# Altium PCB SL_LoRa_PCB_ver_1.6.PcbDoc
Units mm, origin at the board's own origin, x right, y up, seen from the top; angles counter-clockwise.
Board outline 89.52 x 55.32 mm, 2 copper layers (Top Layer, Bottom Layer); 69 components, 48 nets, 287 pads, 319 vias.
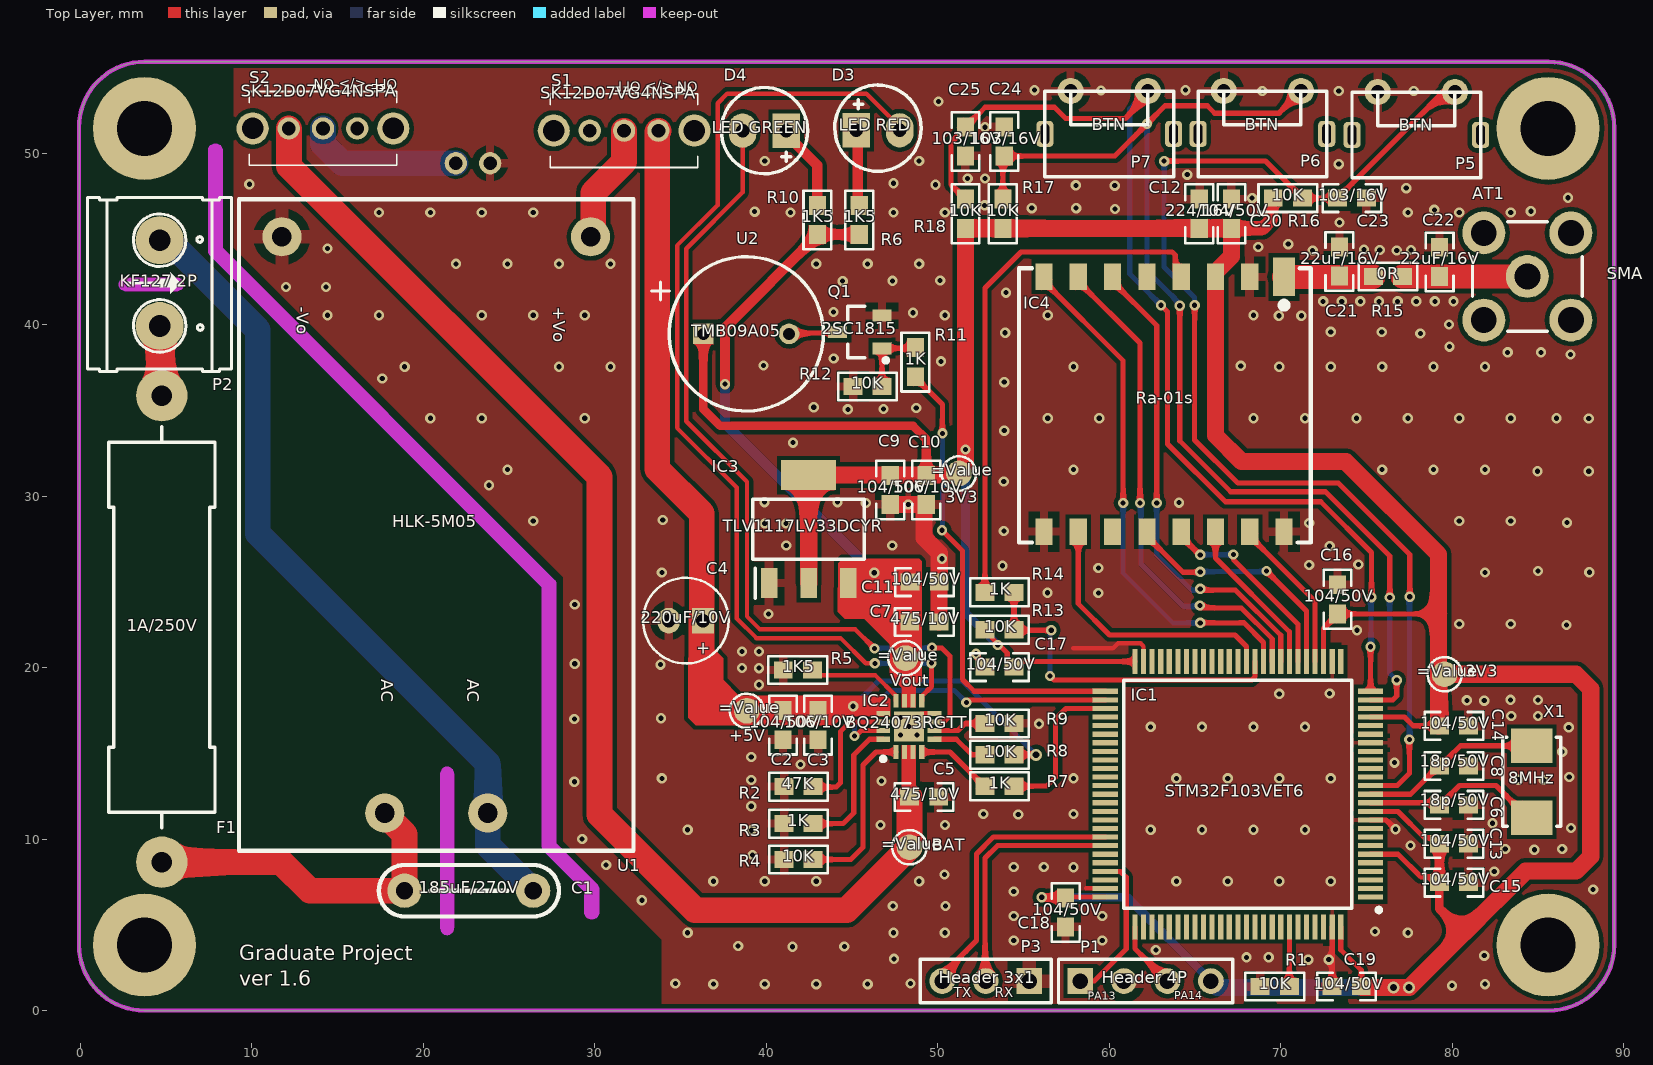
[diagram p0: Top Layer view]
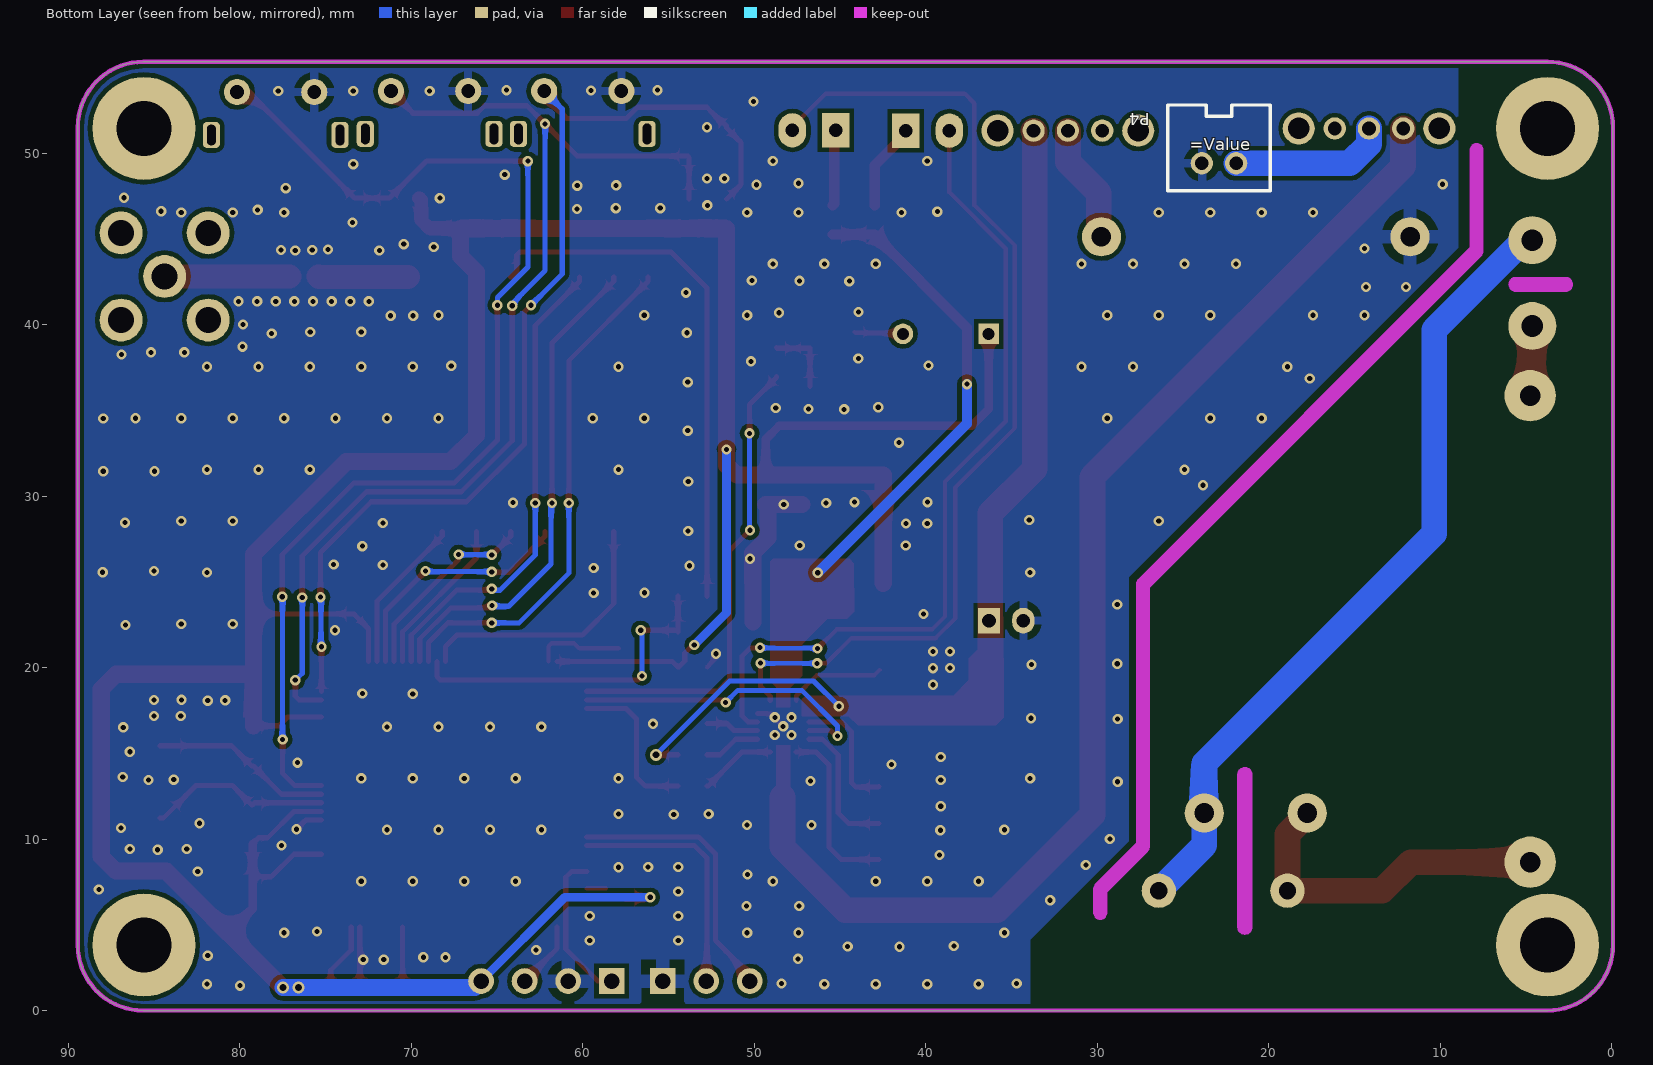
[diagram p1: Bottom Layer view, seen from below]
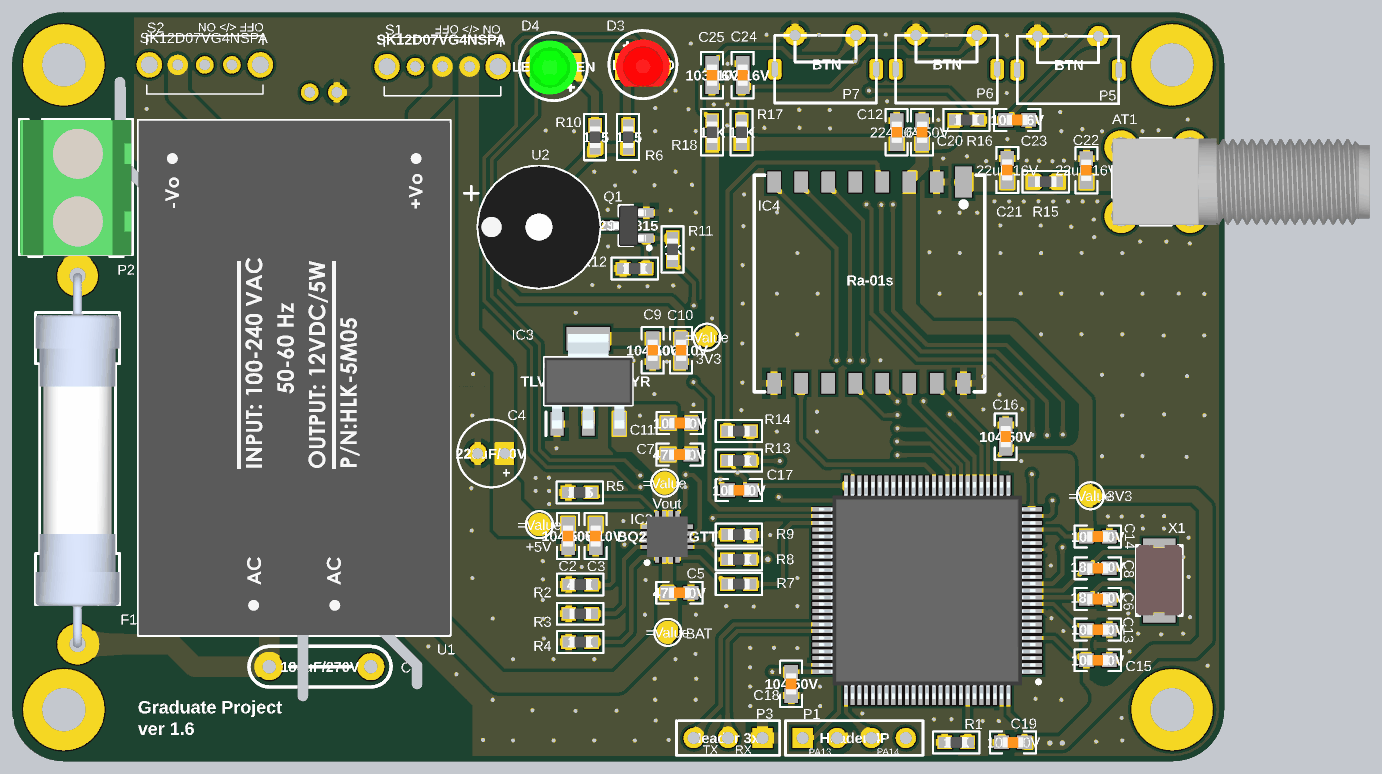
[diagram p2: 3D render of the assembled board from above, using the file's embedded part models]

## Layer stack, top to bottom
Top Solder: solder mask 0.0102, Solder Resist, Dk 3.5
Top Layer: signal copper 0.0356
Dielectric 1: dielectric 0.32, FR-4, Dk 4.8
Bottom Layer: signal copper 0.0356
Bottom Solder: solder mask 0.0102, Solder Resist, Dk 3.5

## Board outline
-0.076,3.81 -0.076,51.511 cw(c3.734,51.511) 3.734,55.321 3.734,55.319 85.633,55.319 cw(c85.633,51.509) 89.443,51.509 89.443,3.81 cw(c85.633,3.81) 85.633,0 3.734,0 cw(c3.734,3.81)
cut-out: 2.667,41.941 cw(c2.667,42.342) 2.667,42.742 5.613,42.742 cw(c5.613,42.342) 6.014,42.342 cw(c5.613,42.342) 5.613,41.941
cut-out: 26.93,9.576 26.93,24.675 7.591,44.014 cw(c7.873,44.297) 7.474,44.298 7.474,50.152 cw(c7.874,50.152) 8.274,50.152 8.274,44.463 27.614,25.124 cw(c27.331,24.842) 27.731,24.841 27.731,9.742 30.103,7.37 cw(c29.821,7.087) 30.22,7.087 30.22,5.715 cw(c29.82,5.715) 29.419,5.715 29.419,6.921 27.047,9.293 cw(c27.329,9.575)
cut-out: 20.986,4.826 ccw(c21.387,4.826) 21.787,4.826 21.787,13.786 ccw(c21.387,13.786) 20.986,13.786

## Design rules (kind name [scope] priority, off if disabled: settings)
Clearance "Small pad" [(PadXSize_AllLayers<1.476) or (PadYSize_AllLayers<0.31)] p1: gap=0.254 ignorepadtopadclearanceinfootprint=TRUE except(0.18: SMDPad-Region; 0.19: Track-SMDPad SMDPad-SMDPad THPad-Region; 0.2: Arc-Arc Arc-Track Arc-SMDPad Track-Track Track-Region)
Clearance [All] p2: gap=0.254 ignorepadtopadclearanceinfootprint=FALSE except(0.17: Track-Region Region-Region; 0.2: Arc-Arc Arc-Track Arc-SMDPad Arc-Region Track-Track Track-SMDPad SMDPad-SMDPad SMDPad-Region)
HoleSize [All] p1: absolutevalues=TRUE maxlimit=5 minlimit=0.025 maxpercent=80.000 minpercent=20.000
HoleToHoleClearance [All] p1: gap=0 allowstackedmicrovias=TRUE
MinimumSolderMaskSliver [All] p1: minsoldermaskwidth=0
PolygonConnect "big hole" [HoleDiameter >0.89] p1: connectstyle=Relief reliefconductorwidth=0.8 reliefentries=4 polygonreliefangle="90 Angle" airgapwidth=0.5
PolygonConnect [All] p2: thpad.connectstyle=Relief thpad.reliefconductorwidth=0.5 thpad.reliefentries=4 thpad.polygonreliefangle="90 Angle" thpad.airgapwidth=0.4 smdpad.connectstyle=Relief smdpad.reliefconductorwidth=0.5 smdpad.reliefentries=4 smdpad.polygonreliefangle="90 Angle" smdpad.airgapwidth=0.4 via.connectstyle=Direct via.reliefconductorwidth=0.254 via.reliefentries=4 via.polygonreliefangle="90 Angle" via.airgapwidth=0.254
RoutingVias [All] p1: holewidth=0.3 width=0.6 viastyle="Through Hole" minholewidth=0.3 minwidth=0.6 maxholewidth=0.3 maxwidth=0.6
SilkToSilkClearance [All] p1: silktosilkclearance=0
SilkToSolderMaskClearance [IsPad] p1: minsilkscreentomaskgap=0 clearancetoexposedcopper=TRUE
SolderMaskExpansion [All] p1: expansion=0.102 istentingtop=FALSE
Width [All] p1: maxlimit=5 minlimit=0.2 preferedwidth=0.5
25 further rules are at their usual default settings.

## Components (designator, comment, footprint, x,y, rotation, side; value= is the part's Value field where it differs from the comment)
3V3 "=Value" "Test Point 1 Side" 79.553,19.609 r0 top (schematic designator TP2)
3V3 "=Value" "Test Point 1 Side" 51.232,31.318 r0 top (schematic designator TP5)
+5V "=Value" "Test Point 1 Side" 38.862,17.475 r0 top (schematic designator TP1)
AT1 "SMA" SMA-KWE-17-V1 84.379,42.803 r0 top
BAT "=Value" "Test Point 1 Side" 48.35,9.52 r0 top (schematic designator TP3)
C1 "185uF/270V" 10d471k 22.657,6.985 r0 top
C2 "104/50V" "CAPC-0603 (1608)" 40.975,16.636 r90 top
C3 "106/10V" "CAPC-0603 (1608)" 43.015,16.636 r90 top
C4 "220uF/10V" CAP_ALUM_D050_S20_H110 35.306,22.733 r180 top value=220uF/35V
C5 "475/10V" "CAPC-0603 (1608)" 49.2,12.446 r180 top
C6 "18p/50V" "CAPC-0603 (1608)" 80.1,11.989 r180 top
C7 "475/10V" "CAPC-0603 (1608)" 49.214,22.653 r180 top
C8 "18p/50V" "CAPC-0603 (1608)" 80.1,14.254 r180 top
C9 "104/50V" "CAPC-0603 (1608)" 47.228,30.352 r90 top
C10 "106/10V" "CAPC-0603 (1608)" 49.327,30.352 r90 top
C11 "104/50V" "CAPC-0603 (1608)" 49.23,24.979 r180 top
C12 "224/16V" "CAPC-0603 (1608)" 65.248,46.46 r90 top
C13 "104/50V" "CAPC-0603 (1608)" 80.1,9.724 r180 top
C14 "104/50V" "CAPC-0603 (1608)" 80.1,16.597 r180 top
C15 "104/50V" "CAPC-0603 (1608)" 80.1,7.459 r180 top
C16 "104/50V" "CAPC-0603 (1608)" 73.302,23.979 r270 top
C17 "104/50V" "CAPC-0603 (1608)" 53.594,20.022 r0 top
C18 "104/50V" "CAPC-0603 (1608)" 57.455,5.715 r90 top
C19 "104/50V" "CAPC-0603 (1608)" 73.838,1.397 r0 top
C20 "104/50V" "CAPC-0603 (1608)" 67.126,46.46 r270 top
C21 "22uF/16V" "CAPC-0603 (1608)" 73.417,43.673 r270 top
C22 "22uF/16V" "CAPC-0603 (1608)" 79.259,43.653 r270 top
C23 "103/16V" "CAPC-0603 (1608)" 74.152,47.371 r0 top
C24 "103/16V" "CAPC-0603 (1608)" 53.873,50.673 r90 top
C25 "103/16V" "CAPC-0603 (1608)" 51.613,50.674 r270 top
D3 "LED RED" LED_3MM-RED 46.507,51.322 r0 top
D4 "LED GREEN" LED_3MM-GREEN 41.158,51.308 r180 top
F1 "1A/250V" FUSE-1A/250V 4.75,22.352 r270 top
IC1 "STM32F103VET6" QFP50P1600X1600X160-100N 67.497,12.613 r180 top
IC2 "BQ24073RGTT" QFN50P300X300X100-17N-D 48.311,16.57 r90 top
IC3 "TLV1117LV33DCYR" SOT230P700X180-4N 42.469,28.067 r90 top
IC4 "Ra-01s" Ra-01s 63.239,35.287 r270 top
P1 "Header 4P" HDR1X4 58.307,1.717 r0 top
P2 "KF127 2P" KF127_2P 4.623,42.418 r270 top
P3 "Header 3x1" HDR1X3 55.335,1.717 r180 top
P4 "=Value" HDR200_1x2 23.895,49.403 r180 bottom
P5 "BTN" "Button 6x6x8mm" 77.902,51.054 r180 top
P6 "BTN" "Button 6x6x8mm" 68.925,51.115 r180 top
P7 "BTN" "Button 6x6x8mm" 59.995,51.115 r180 top
Q1 "2SC1815" SOT23_3 45.444,39.565 r180 top
R1 "10K" "RESC-0603 (1608)" 69.647,1.397 r0 top
R2 "47K" "RESC-0603 (1608)" 41.873,13.053 r0 top
R3 "1K" "RESC-0603 (1608)" 41.874,10.895 r180 top
R4 "10K" "RESC-0603 (1608)" 41.873,8.805 r0 top
R5 "1K5" "RESC-0603 (1608)" 41.834,19.854 r180 top
R6 "1K5" "RESC-0603 (1608)" 45.418,46.101 r90 top
R7 "1K" "RESC-0603 (1608)" 53.594,13.081 r180 top
R8 "10K" "RESC-0603 (1608)" 53.594,14.91 r0 top
R9 "10K" "RESC-0603 (1608)" 53.594,16.739 r0 top
R10 "1K5" "RESC-0603 (1608)" 42.977,46.1 r90 top
R11 "1K" "RESC-0603 (1608)" 48.692,37.806 r270 top
R12 "10K" "RESC-0603 (1608)" 45.894,36.391 r180 top
R13 "10K" "RESC-0603 (1608)" 53.594,22.203 r0 top
R14 "1K" "RESC-0603 (1608)" 53.594,24.384 r180 top
R15 "0R" "RESC-0603 (1608)" 76.25,42.803 r0 top
R16 "10K" "RESC-0603 (1608)" 70.409,47.371 r0 top
R17 "10K" "RESC-0603 (1608)" 53.791,46.46 r90 top
R18 "10K" "RESC-0603 (1608)" 51.613,46.46 r90 top
S1 "SK12D07VG4NSPA" SK12D07VG4NSPA 33.706,51.308 r180 top
S2 "SK12D07VG4NSPA" SK12D07VG4NSPA 16.148,51.435 r180 top
U1 "HLK-5M05" HLK-5M05 20.752,28.316 r270 top value=5V/5W
U2 "TMB09A05" BUZZER_D9_TH 38.837,39.472 r0 top
Vout "=Value" "Test Point 1 Side" 48.117,20.549 r0 top (schematic designator TP4)
X1 "8MHz" "CRYSTAL_ABM3 5x3.2mm" 84.633,13.335 r90 top

## Footprints (in the part's own frame and the unit in brackets; to place one, negate y for a bottom-side part, rotate by r counter-clockwise, add the part's x,y. Pads: shape width x height; smd on the part's side, far side on the other; paste and mask are expansions set on the pad)
10d471k [mm]
  round 2 hole 1: 1(-3.75,0) 2(3.75,0)
  silkscreen extent -5.25,-1.5 5.25,1.5
"Button 6x6x8mm" [mm]
  rrect50% 1x1.524 hole 0.5 slot 1.2 at 90 deg: 0(-3.75,0) 0(3.75,0)
  round 1.524 hole 0.8: 1(-2.25,-2.5) 2(2.25,-2.5)
  silkscreen extent -3.75,-2.5 3.75,2.5
BUZZER_D9_TH [mm]
  rect 1.2x1.2 hole 0.7: 1(-2.51,-0.015)
  round 1.2 hole 0.7: 2(2.49,-0.015)
  silkscreen extent -5.51,-4.51 4.49,4.48, body extent -4.51,-4.51 4.49,4.48, height 5.5
CAP_ALUM_D050_S20_H110 [mm]
  rect 1.3x1.5 hole 0.8: 1(-1,0)
  oval 1.3x1.5 hole 0.8: 2(1,0)
  silkscreen extent -2.5,-2.5 2.5,2.5, body extent -2.5,-2.5 2.5,2.5, height 11
"CAPC-0603 (1608)" [mm]
  rect 1.1x1 smd mask+0.1: 1(-0.85,0) 2(0.85,0)
  silkscreen extent -1.71,-0.81 1.71,0.81, body extent -0.8,-0.4 0.8,0.4, height 0.6
"CRYSTAL_ABM3 5x3.2mm" [mm]
  rect 2x2.4 smd: 1(-2.1,0) 2(2.1,0)
  silkscreen extent -2.59,-1.7 2.61,1.7, body extent -2.57,-1.7 2.63,1.7, height 1.3
FUSE-1A/250V [mm]
  round 3 hole 1.2: 1(-13.5,0) 2(13.7,0)
  silkscreen extent -11.68,-3.1 11.68,3.1, body extent -13.7,-3.1 13.95,3.1, height 6.3
HDR1X3 [mm] "Connector; Header; 3 Position"
  rect 1.5x1.5 hole 0.9: 1(0,0)
  round 1.5 hole 0.9: 2(2.54,0) 3(5.08,0)
  silkscreen extent -1.27,-1.27 6.35,1.27
HDR1X4 [mm] "Connector; Header; 4 Position"
  rect 1.5x1.5 hole 0.9: 1(0,0)
  round 1.5 hole 0.9: 2(2.54,0) 3(5.08,0) 4(7.62,0)
  silkscreen extent -1.27,-1.27 8.89,1.27
HDR200_1x2 [mm]
  round 1.3 hole 0.8: 1(0,0) 2(2,0)
  silkscreen extent -2,-1.6 4,3.4
HLK-5M05 [mil]
  round 90 hole 45: 1(661.42,-118.11) 2(661.42,118.11) 3(-661.42,-354.33) 4(-661.42,354.33)
  silkscreen extent -748,-453 748,453, body extent -748,-453 748,453, height 709
KF127_2P [mil] "Header 2,pitch 5.08mm, Colour Green"
  round 110 hole 50: 1(-98.43,0) 2(98.43,0)
  silkscreen extent -197,-165 203,165, body extent -195,-161 199,161, height 394
LED_3MM-GREEN [mm] "LED GREEN 3MM T/H"
  rect 1.6x2 hole 0.8: 1(0,0)
  oval 1.6x2 hole 0.8: 2(2.54,0)
  silkscreen extent -1.25,-2.51 3.78,2.52, body extent -0.48,-1.93 3.02,2.07, height 6.2
LED_3MM-RED [mm] "LED RED 3MM T/H"
  rect 1.6x2 hole 0.8: 1(-1.27,0)
  oval 1.6x2 hole 0.8: 2(1.27,0)
  silkscreen extent -2.52,-2.39 2.51,2.65, body extent -1.99,-1.5 1.99,1.99, height 5.38
QFN50P300X300X100-17N-D [mm]
  rect 0.8x0.3 smd: 1(-1.5,0.75) 2(-1.5,0.25) 3(-1.5,-0.25) 4(-1.5,-0.75) 9(1.5,-0.75) 10(1.5,-0.25) 11(1.5,0.25) 12(1.5,0.75)
  rect 0.3x0.8 smd: 5(-0.75,-1.5) 6(-0.25,-1.5) 7(0.25,-1.5) 8(0.75,-1.5) 13(0.75,1.5) 14(0.25,1.5) 15(-0.25,1.5) 16(-0.75,1.5)
  rect 1.75x1.75 smd: 17(0,0)
  silkscreen extent -2.02,1.37 -1.78,1.62, body extent -1.5,-1.5 1.5,1.5, height 1
QFP50P1600X1600X160-100N [mm]
  rect 1.475x0.3 smd: 1(-7.738,6) 2(-7.738,5.5) 3(-7.738,5) 4(-7.738,4.5) 5(-7.738,4) 6(-7.738,3.5) 7(-7.738,3) 8(-7.738,2.5) 9(-7.738,2) 10(-7.738,1.5) 11(-7.738,1) 12(-7.738,0.5) 13(-7.738,0) 14(-7.738,-0.5) 15(-7.738,-1) 16(-7.738,-1.5) 17(-7.738,-2) 18(-7.738,-2.5) 19(-7.738,-3) 20(-7.738,-3.5) 21(-7.738,-4) 22(-7.738,-4.5) 23(-7.738,-5) 24(-7.738,-5.5) 25(-7.738,-6) 51(7.738,-6) 52(7.738,-5.5) 53(7.738,-5) 54(7.738,-4.5) 55(7.738,-4) 56(7.738,-3.5) 57(7.738,-3) 58(7.738,-2.5) 59(7.738,-2) 60(7.738,-1.5) 61(7.738,-1) 62(7.738,-0.5) 63(7.738,0) 64(7.738,0.5) 65(7.738,1) 66(7.738,1.5) 67(7.738,2) 68(7.738,2.5) 69(7.738,3) 70(7.738,3.5) 71(7.738,4) 72(7.738,4.5) 73(7.738,5) 74(7.738,5.5) 75(7.738,6)
  rect 0.3x1.475 smd: 26(-6,-7.738) 27(-5.5,-7.738) 28(-5,-7.738) 29(-4.5,-7.738) 30(-4,-7.738) 31(-3.5,-7.738) 32(-3,-7.738) 33(-2.5,-7.738) 34(-2,-7.738) 35(-1.5,-7.738) 36(-1,-7.738) 37(-0.5,-7.738) 38(0,-7.738) 39(0.5,-7.738) 40(1,-7.738) 41(1.5,-7.738) 42(2,-7.738) 43(2.5,-7.738) 44(3,-7.738) 45(3.5,-7.738) 46(4,-7.738) 47(4.5,-7.738) 48(5,-7.738) 49(5.5,-7.738) 50(6,-7.738) 76(6,7.738) 77(5.5,7.738) 78(5,7.738) 79(4.5,7.738) 80(4,7.738) 81(3.5,7.738) 82(3,7.738) 83(2.5,7.738) 84(2,7.738) 85(1.5,7.738) 86(1,7.738) 87(0.5,7.738) 88(0,7.738) 89(-0.5,7.738) 90(-1,7.738) 91(-1.5,7.738) 92(-2,7.738) 93(-2.5,7.738) 94(-3,7.738) 95(-3.5,7.738) 96(-4,7.738) 97(-4.5,7.738) 98(-5,7.738) 99(-5.5,7.738) 100(-6,7.738)
  silkscreen extent -8.35,-6.65 6.65,6.87, body extent -8,-8 8,8, height 1.6
Ra-01s [mm] "LoRa modem high sensitivity -148 dBm, power output of +22dBm"
  rect 2.26x1.27 smd: 1(-7.493,6.952)
  rect 1.54x1 smd: 2(-7.493,4.952) 3(-7.493,2.952) 4(-7.493,0.952) 5(-7.493,-1.048) 6(-7.493,-3.048) 7(-7.493,-5.048) 8(-7.493,-7.048) 9(7.366,-7.048) 10(7.366,-5.048) 11(7.366,-3.048) 12(7.366,-1.048) 13(7.366,0.952) 14(7.366,2.952) 15(7.366,4.952) 16(7.366,6.952)
  silkscreen extent -8,-8.51 8,8.51
"RESC-0603 (1608)" [mm] "Resistor, Chip; 1.60 mm L X 0.80 mm W X 0.50 mm H body"
  rect 1.1x1 smd paste-0.1 mask+0.1: 1(-0.85,0) 2(0.85,0)
  silkscreen extent -1.71,-0.81 1.71,0.81, body extent -0.8,-0.4 0.8,0.4, height 0.5
SK12D07VG4NSPA [mm]
  round 1.3 hole 0.8: 1(0,0) 2(2,0) 3(4,0)
  round 1.875 hole 1.25: MH1(-2.1,0) MH2(6.1,0)
  silkscreen extent -2.3,-2.15 6.3,2.15
SMA-KWE-17-V1 [mm]
  round 2.5 hole 1.5: 1(0,0) 2(-2.54,-2.54) 2(-2.54,2.54) 2(2.54,-2.54) 2(2.54,2.54)
  silkscreen extent -3.2,-3.2 3.2,3.2, body extent -3.2,-3.2 15.8,3.2, height 9.6
SOT23_3 [mm]
  rect 1.1x0.7 smd: 1(-1.3,0.95) 2(-1.3,-0.95) 3(1.3,0)
  silkscreen extent -1.65,-1.5 0.7,1.78, body extent -1.3,-1.5 1.3,1.5, height 1.1
SOT230P700X180-4N [mm]
  rect 1.75x0.95 smd: 1(-3.15,2.3) 2(-3.15,0) 3(-3.15,-2.3)
  rect 1.75x3.2 smd: 4(3.15,0)
  silkscreen extent -4.03,-3.25 1.75,3.25, body extent -3.5,-3.25 3.5,3.25, height 1.8
"Test Point 1 Side" [mm] "Test Point 1 Side"
  round 1.5 smd paste-5: 0(0,0)
  silkscreen extent -1,-1 1,1

## Part data
3V3 3V3 +5V BAT Vout: library part "Test Point", "Test Point", Solder=NF
AT1: library part SMA-KWE-17-V1, MPN=SMA-KWE-17-V1, Solder=WAVE
C1: library part 7D271K, Category=CAPACITOR, MPN=7D271K, PinCount=2, Solder=WAVE
C2 C9 C11 C13 C14 C15 C16 C17 C18 C19 C20: library part C0603C104K5RACTU, "CAP CER 0.1uF 50V 10% X7R 0603", Category=CAPACITOR, MPN=C0603C104K5RACTU, PinCount=2, Solder=SMT
C3 C10: library part CL10A106KP8NNNC, "CAP CER 10uF 10% 10V X5R 0603", Category=CAPACITOR, MPN=CL10A106KP8NNNC, PinCount=2, Solder=SMT
C4: library part CLA0920, "CAP ALUM 220uF 20% 10V RADIAL", Category=CAPACITOR, MFR_URL=http://linhkienchatluong.vn/tu-hoa-co-phan-cuc/tu-hoa-10v-220uf_sp454_ct825.aspx, MPN=CLA0920, PinCount=2, Solder=WAVE
C5 C7: library part CL10A475KP8NNNC, "CAP CER 4.7uF 10% 10V X5R 0603", Category=CAPACITOR, MPN=CL10A475KP8NNNC, PinCount=2, Solder=SMT
C6 C8: library part CL10C180JB8NNNC, "CAP CER 18pF 5% 50V C0G/NP0 0603", Category=CAPACITOR, MPN=CL10C180JB8NNNC, PinCount=2, Solder=SMT
C12: library part CC0603KRX7R7BB224, "CAP CER 0.22UF 16V X7R 0603", MFR=Yageo, Category=CAPACITOR, MPN=CC0603KRX7R7BB224, PinCount=2, Solder=SMT
C21 C22: library part CL10A226MO7JZNC, "CAP CER 22UF 16V X5R 0603", Category=CAPACITOR, MPN=CL10A226MO7JZNC, PinCount=2, Solder=SMT
C23 C24 C25: library part CC0603KRX7R7BB103, "CAP CER 10nF 16V 10% X7R 0603", Category=CAPACITOR, MPN=CC0603KRX7R7BB103, PinCount=2, Solder=SMT
D3: library part WP710A10SRC/E, "LED RED CLEAR 3MM ROUND T/H", MPN=WP710A10SRC/E, Solder=WAVE
D4: library part OVLBG4C7, "LED GREEN CLEAR 3MM ROUND T/H", MPN=OVLBG4C7, Solder=WAVE
F1: library part FUSE-1A/250V, "FUSE POLYSWITCH RUE SERIES 1A 250V", MPN=CLA2772, Solder=WAVE
IC1: "Integrated Circuit", Manufacturer_Name=STMicroelectronics, Datasheet Link=http://www.st.com/st-web-ui/static/active/en/resource/technical/document/datasheet/CD00191185.pdf, Height=1.6mm, Manufacturer_Part_Number=STM32F103VET6
IC2: "Integrated Circuit", Manufacturer_Name="Texas Instruments", Mouser2 Part Number=595-BQ24073RGTT, Datasheet Link=http://www.ti.com/lit/gpn/bq24073, Height=1mm, Manufacturer_Part_Number=BQ24073RGTT, Mouser2 Price/Stock=https://www.mouser.com/Search/Refine.aspx?Keyword=595-BQ24073RGTT
IC3: "Integrated Circuit", Manufacturer_Name="Texas Instruments", Mouser2 Part Number=595-TLV1117LV33DCYR, Datasheet Link=http://www.ti.com/lit/gpn/tlv1117lv, Height=1.8mm, Manufacturer_Part_Number=TLV1117LV33DCYR, Mouser2 Price/Stock=https://www.mouser.com/Search/Refine.aspx?Keyword=595-TLV1117LV33DCYR
IC4: library part ra-01s, "LoRa modem high sensitivity -148 dBm, power output of +22dBm", Category=MODULE, MPN=Ra-01s, MRF=Ai-Thinker, PinCount=16, Solder=SMT
P1: library part "Header 4x1", "Header, 4 Pin Pitch 2.54mm", MPN=S1012EC-40-ND, Solder=WAVE
P2: "Header, 2-Pin, pitch 5.08mm", MPN=KF127-2P, Solder=WAVE
P3: "Header, 3-Pin, pitch 2.54mm", Solder=WAVE
P4: library part H2x1_2.0, "Header 2x1, pitch 2mm", Solder=WAVE
P5 P6 P7: library part "Button 6x6x8mm"
Q1: "TRANS NPN 50V 0.15A SOT23-3", MPN=2SC1815, Solder=SMT
R1 R4 R8 R9 R12 R13 R16 R17 R18: library part RC0603FR-0710KL, "RES SMD 10K OHM 1% 1/10W 0603", Category=RESISTOR, CompanyID=VT00464, MPN=RC0603FR-0710KL, Solder=SMT
R2: library part RC0603FR0747KL, "RES SMD 47K OHM 1% 1/10W 0603", Category=RESISTOR, MPN=RC0603FR0747KL, Solder=SMT
R3 R7 R11 R14: library part RC0603FR-071KL, "RES SMD 1 KOHM 1% 1/10W 0603", Category=RESISTOR, CompanyID=VT00432, MPN=RC0603FR-071KL, Solder=SMT
R5 R6 R10: library part RC0603FR-071K5L, "RES SMD 1.5K OHM 1% 1/10W 0603", Category=RESISTOR, CompanyID=VT00423, MPN=RC0603FR-071K5L, Solder=SMT
R15: library part RC0603FR-070RL, "RES SMD 0.0OHM JUMPER 1/10W 0603", Category=RESISTOR, MPN=RC0603FR-070RL, Solder=SMT
S1 S2: "Switch", Manufacturer_Name="C & K COMPONENTS", Mouser2 Part Number=611-SK12D07VG4NSPA, Datasheet Link=https://componentsearchengine.com//SK12D07VG4NSPA.pdf, Height=4.7mm, Manufacturer_Part_Number=SK12D07VG4NSPA, Mouser2 Price/Stock=https://www.mouser.com/Search/Refine.aspx?Keyword=611-SK12D07VG4NSPA
U1: "Ultra-compact module power 12V/5W", MFR=Hi-link, Category=MODULE, MPN=HLK-5M05, PinCount=4, Solder=WAVE
U2: library part "BUZZER TMB09A05", "Còi chíp 5V TMB09A05 9x5.5mm"
X1: library part ABM3-8.000MHZ-D2Y-T, "CRYSTAL 8.0000MHZ 18pF SMD", Category=CRYSTAL, CompanyID=VT00157, MPN=ABM3-8.000MHZ-D2Y-T, Solder=SMT

## Free pads (board coordinates)
  round 6 hole 3.2: 1(3.734,51.435) 2(3.734,3.81) 3(85.591,3.81) 4(85.591,51.435)

## Via types
v1: diameter 0.6, hole 0.3, Top Layer to Bottom Layer, tented both sides, 316 vias
v2: diameter 0.7, hole 0.4, Top Layer to Bottom Layer, tented both sides, 3 vias

## Nets (pads, with @x,y where several pads share a name; then routed paths per layer and width w, separated by ;. In a path a pad name is that pad's centre, name@x,y a point inside that pad or via, vN(x,y) a via of type N, cw(c..) or ccw(c..) an arc to the next point about the centre after c; other vN are vias at no path point)
3V3: 3V3.0 C9.2 C10.2 C12.1 C13.2 C14.2 C15.2 C16.2 C17.2 C18.2 C19.2 C20.2 IC1.6 IC1.11 IC1.22 IC1.28 IC1.50 IC1.75 IC1.100 IC3.2 IC3.4 IC4.3 P1.4 R13.1 R16.1 R17.1 R18.1 U2.1 | length 225.2
  Top Layer w0.3: R13.1@52.744,22.089 52.794,22.089 54.044,20.839 54.044,20.372 54.394,20.022 C17.2 54.772,20.351 IC1.50 ; C18.2 57.502,6.613 IC1.75 ; IC1.28 72.497,22.274 73.302,23.079 C16.2 79.2,23.129 ; IC1.100 73.497,3.538 74.688,2.347 C19.2 ; IC1.6 76.841,9.113 78.144,7.809 78.9,7.809 C15.2 ; IC1.11 76.83,11.613 78.369,10.074 78.9,10.074 C13.2 ; IC1.22 77.21,17.113 77.725,16.597 79.2,16.597 C14.2
  Top Layer w0.5: U2.1@36.072,39.457 36.327,39.202 36.327,35.073 37.313,34.087 48.553,34.087 49.327,33.313 49.327,31.217 C10.2 ; v1(56.058,6.604) 56.077,6.585 57.435,6.585 C18.2 ; C13.2 C15.2 79.25,5.942 80.67,4.521
  Top Layer w0.8: C20.2 68.94,45.61 69.409,46.079 69.409,47.271 69.509,47.371 R16.1
  Top Layer w1: IC3.2 IC3.4 49.327,31.217 51.004,31.217 51.562,31.775 51.613,31.775 v1(51.613,32.715) R18.1 R17.1 C12.1 C20.2 67.126,43.985 66.191,43.05 IC4.3 66.191,33.53 67.716,32.004 73.794,32.004 79.2,26.598 79.2,23.129 3V3.0@79.2,19.609 ; C19.2 74.739,1.346 v2(76.568,1.346) v2(77.483,1.346) 77.495,1.346 78.156,2.007 80.67,4.521 84.277,8.128 87.212,8.128 88.069,8.985 88.069,18.753 87.213,19.609 79.553,19.609 3V3.0@79.2,19.609 ; C14.2@79.2,16.597 3V3.0@79.2,19.609
  Bottom Layer w0.5: v1(51.613,32.715) 51.613,23.19 v1(53.492,21.311) ; v1(56.058,6.604) 61.04,6.604 P1.4
  Bottom Layer w1: P1.4 66.298,1.346 v2(76.568,1.346) v2(77.483,1.346)
+5: +5V.0 C2.2 C3.2 C4.1 IC2.13 R8.2 S1.1 | length 46.8
  Top Layer w0.3: R8.2 v2(55.728,14.91)
  Top Layer w1.5: S1.1 33.645,51.247 33.645,31.576 36.23,28.991 36.23,22.733 36.23,19.99
  Bottom Layer w0.3: v1(45.06,17.739) 46.534,19.213 51.424,19.213 v2(55.728,14.91)
ANT: C21.2 IC4.1 R15.1 | length 5.2
  Top Layer w1.4: IC4.1 75.377,42.78 R15.1
BUSY: IC1.37 IC4.10 | length 15.9
  Top Layer w0.3: IC4.10 58.191,23.724 60.013,21.902 67.328,21.902 67.997,21.233 IC1.37
CE: IC1.53 R7.1 | length 9.2
  Top Layer w0.3: R7.1 56.344,13.081 56.86,13.598 56.86,16.993 57.479,17.613 IC1.53
DIO1: IC1.33 IC4.6 | length 28
  Top Layer w0.3: IC4.6 60.191,42.51 62.763,39.937 v1(62.763,29.591) ; v1@65.303,24.511 67.365,24.511 69.997,21.879 IC1.33
  Bottom Layer w0.3: v1(62.763,29.591) 62.763,26.568 64.829,24.503 v1@65.303,24.503
  other v1: 65.303,24.587
DIO2: IC1.34 IC4.7 | length 28.9
  Top Layer w0.3: IC4.7 58.191,42.51 61.786,38.915 v1(61.786,29.591) ; v1@65.303,23.47 67.699,23.47 69.497,21.672 IC1.34
  Bottom Layer w0.3: v1@61.849,29.591 61.849,26.035 64.326,23.558 v1@65.215,23.558
  other v1: 65.278,23.622
DIO3: IC1.35 IC4.8 | length 30.2
  Top Layer w0.3: IC4.8 56.191,42.51 60.808,37.893 v1(60.808,29.591) ; v1@65.303,22.631 v1(65.303,22.606) 67.602,22.606 67.604,22.609 67.853,22.609 68.997,21.465 IC1.35
  Bottom Layer w0.3: v1@60.808,29.642 v1(60.808,29.591) 60.808,25.502 63.703,22.606 v1(65.303,22.606)
GND: C2.1 C3.1 C4.2 C5.1 C6.1 C7.1 C8.1 C9.1 C10.1 C11.1 C12.2 C13.1 C14.1 C15.1 C16.1 C17.1 C18.1 C19.1 C20.1 C21.1 C22.1 C23.2 C24.2 C25.2 IC1.10 IC1.19 IC1.27 IC1.49 IC1.74 IC1.99 IC2.8 IC2.17 IC3.1 IC4.2 IC4.9 IC4.16 P1.2 P3.1 P4.1 P5.2 P6.2 P7.2 Q1.2 R1.1 R2.1 R3.2 R4.1 R5.2 R9.2 R12.2 U1.3 | length 23.6
  Top Layer w0.254: v1(52.222,20.803) 52.222,20.544 C17.1 ; 57.906,21.118 60.207,21.118 60.504,21.415 61.825,21.415 61.997,21.243 IC1.49 ; 58.64,7.12 59.751,7.12 IC1.74
  Top Layer w0.3: v1(48.311,16.57) 49.036,17.295 49.241,17.295 49.266,17.32 49.356,17.32 IC2.8 ; C19.1 72.997,1.406 IC1.99 ; IC1.10 76.136,11.113 v1(76.683,10.566)
  Top Layer w1: C9.1 v1(48.277,29.502) C10.1 49.193,29.368 49.193,27.564 50.08,26.677 C11.1 50.072,24.979 50.072,22.653 C7.1
  other v1: 79.985,1.448 36.909,1.538 39.909,1.538 42.909,1.538 45.909,1.538 81.909,1.538 34.696,1.575 48.412,1.575 71.603,2.967 72.796,2.967 47.447,3.011 67.996,3.099 69.291,3.106 81.864,3.2 62.713,3.531 41.529,3.715 44.552,3.734 38.354,3.759 54.425,4.081 59.588,4.081 35.409,4.538 47.409,4.538 50.409,4.538 77.409,4.538 75.497,4.613 54.425,5.512 59.588,5.512 47.378,6.096 50.444,6.096 32.741,6.426 54.425,6.943 88.214,7.059 36.909,7.538 39.909,7.538 42.909,7.538 48.909,7.538 63.909,7.538 66.909,7.538 69.909,7.538 72.909,7.538 50.394,7.926 82.448,8.103 57.906,8.357 54.425,8.374 56.185,8.374 30.658,8.484 39.192,9.068 84.785,9.373 83.089,9.423 86.406,9.423 77.559,9.627 29.261,9.995 39.141,10.514 35.409,10.538 62.409,10.538 65.409,10.538 68.409,10.538 71.409,10.538 86.919,10.643 46.66,10.82 50.419,10.82 82.347,10.922 54.686,11.43 52.654,11.455 57.912,11.455 39.116,11.913 28.804,13.335 46.711,13.386 39.116,13.444 85.319,13.444 83.845,13.462 33.909,13.538 57.909,13.538 63.909,13.538 66.909,13.538 69.909,13.538 72.909,13.538 86.817,13.614 41.994,14.351 76.632,14.453 39.116,14.783 86.406,15.088 47.819,16.066 48.793,16.066 86.792,16.51 62.409,16.538 65.409,16.538 68.409,16.538 71.409,16.538 55.905,16.713 28.804,16.993 33.858,17.043 47.819,17.094 48.793,17.094 83.439,17.177 84.995,17.177 81.864,18.07 80.848,18.085 83.388,18.113 84.995,18.11 69.909,18.466 72.847,18.491 39.573,18.999 38.583,19.969 39.573,19.964 33.833,20.168 28.829,20.218 38.583,20.93 39.573,20.93 74.444,22.174 86.665,22.479 80.409,22.538 83.409,22.538 40.124,23.116 28.829,23.675 56.4,24.359 59.36,24.346 33.909,25.538 81.909,25.538 87.991,25.552 84.995,25.629 59.36,25.806 53.772,25.933 71.653,25.979 74.524,26.002 50.241,26.34 72.847,27.076 41.158,27.118 47.346,27.116 53.849,27.965 39.903,28.397 41.148,28.397 71.653,28.423 86.69,28.448 26.409,28.538 80.409,28.538 83.409,28.538 33.96,28.6 45.803,29.591 64.059,29.616 39.888,29.642 44.144,29.642 23.825,30.632 53.847,30.853 84.963,31.445 87.96,31.445 24.909,31.538 57.909,31.538 75.909,31.538 78.909,31.538 81.909,31.538 41.554,33.115 53.873,33.813 87.96,34.519 20.409,34.538 23.409,34.538 29.409,34.538 56.409,34.538 59.409,34.538 68.409,34.538 71.409,34.538 74.409,34.538 77.409,34.538 80.409,34.538 83.409,34.538 86.081,34.538 44.755,35.052 46.838,35.077 48.743,35.128 42.761,35.179 53.873,36.641 17.602,36.855 18.909,37.538 27.909,37.538 30.909,37.538 57.909,37.538 69.909,37.538 72.909,37.538 75.909,37.538 78.909,37.538 81.909,37.538 67.666,37.592 39.834,37.617 50.19,37.853 43.925,38.024 86.895,38.252 83.229,38.379 85.166,38.379 79.832,38.71 78.138,39.472 53.924,39.522 72.909,39.573 75.887,39.565 79.807,40.005 69.884,40.513 71.196,40.513 14.409,40.538 17.409,40.538 23.409,40.538 26.409,40.538 29.409,40.538 50.409,40.538 56.409,40.538 68.409,40.538 48.553,40.691 43.912,40.727 72.466,41.351 73.552,41.351 74.638,41.351 75.725,41.351 76.811,41.351 77.897,41.351 78.983,41.351 80.069,41.351 53.975,41.859 11.989,42.189 14.326,42.189 44.45,42.53 47.359,42.545 50.137,42.57 21.909,43.538 24.909,43.538 27.909,43.538 30.909,43.538 42.909,43.538 45.909,43.538 48.909,43.538 71.855,44.323 76.759,44.32 75.772,44.348 77.597,44.348 74.851,44.374 14.406,44.43 68.682,44.523 70.434,44.688 73.417,45.949 17.409,46.538 20.409,46.538 23.409,46.538 26.409,46.538 41.409,46.538 47.409,46.538 50.409,46.538 77.409,46.538 80.409,46.538 83.409,46.538 39.319,46.584 84.582,46.609 78.954,46.685 60.325,46.736 55.474,46.787 58.064,46.787 52.73,46.95 68.326,47.371 86.741,47.396 77.318,47.955 58.048,48.114 60.313,48.1 49.867,48.154 9.855,48.184 47.409,48.242 51.74,48.514 52.756,48.514 64.541,48.743 73.381,49.352 39.909,49.538 48.909,49.538 52.756,51.508 50.038,53.01 68.925,53.615 73.381,53.619 77.749,53.619 59.512,53.645 55.631,53.67 64.44,53.67
NetAT1_1: AT1.1 C22.2 R15.2 | length 7.3
  Top Layer w1.4: R15.2 C22.2 AT1.1
NetC1_1: C1.1 F1.2 U1.1 | length 19.9
  Top Layer w1.5: F1.2 11.719,8.652 13.386,6.985 C1.1 18.907,10.284 17.752,11.439 U1.1
NetC1_2: C1.2 P2.1 U1.2 | length 47.2
  Bottom Layer w1.5: P2.1 5.12,44.918 10.338,39.7 10.338,27.813 23.752,14.399 U1.2 23.752,9.64 C1.2
NetC5_2: BAT.0 C5.2 IC2.2 IC2.3 S2.3 | length 72.4
  Top Layer w1.5: S2.3 12.167,51.416 12.167,49.225 30.277,31.115 30.277,11.411 35.846,5.842 44.671,5.842 BAT.0 48.35,9.982 C5.2
NetD3_1: D3.1 R6.2 | length 4.4
  Top Layer w0.6: D3.1 45.328,51.232 45.328,47.041 R6.2
NetD3_2: D3.2 IC2.9 | length 59.2
  Top Layer w0.254: v1(46.33,20.244) 45.803,20.244 45.739,20.308 45.732,20.308 44.323,21.717 39.421,21.717 38.278,22.86 38.278,30.495 34.798,33.974 34.798,44.602 37.16,46.965 37.16,52.908 37.719,53.467 45.833,53.467 47.777,51.522 D3.2
  Top Layer w0.3: IC2.9 49.061,18.32 49.632,18.891 v1(49.632,20.254)
  Bottom Layer w0.254: v1(46.33,20.244) v1@49.621,20.244
NetD4_1: D4.1 R10.2 | length 5.1
  Top Layer w0.6: D4.1 41.158,51.108 42.977,49.289 R10.2
NetD4_2: D4.2 IC2.7 | length 48.5
  Top Layer w0.254: D4.2 38.618,47.71 35.331,44.424 35.331,34.366 38.869,30.829 38.869,22.98 39.624,22.225 45.187,22.225 v1(46.304,21.107)
  Top Layer w0.3: v1(49.657,21.158) 49.68,21.135 50.226,21.135 50.705,20.657 50.705,17.183 50.342,16.82 IC2.7
  Bottom Layer w0.254: v1(46.304,21.107) 46.33,21.133 49.632,21.133 v1(49.657,21.158)
NetF1_1: F1.1 P2.2 | length 4.1
  Top Layer w1.5: F1.1@4.686,35.916 P2.2@4.686,39.854
  Top Layer w2: P2.2 P2.2@4.686,39.854 ; F1.1@4.686,35.916 F1.1
NetIC1_36: IC1.36 R13.2 R14.1 | length 20
  Top Layer w0.3: R14.1@54.444,24.155 R13.2 54.444,22.089 54.529,22.174 v1(56.617,22.174) ; v1(56.54,19.511) 56.779,19.273 68.302,19.273 68.497,19.468 IC1.36
  Bottom Layer w0.3: v1(56.54,19.511) 56.54,22.098 v1(56.617,22.174)
NetIC1_51: IC1.51 R11.2 | length 27.4
  Top Layer w0.3: R11.2 48.692,36.906 50.267,35.331 v1(50.267,33.655) ; v1(50.247,28.001) 51.435,26.812 51.435,19.304 52.127,18.613 IC1.51
  Bottom Layer w0.3: v1(50.247,28.001) 50.267,28.021 v1(50.267,33.655)
NetIC1_94: IC1.94 R1.2 | length 3.5
  Top Layer w0.3: R1.2 IC1.94
NetIC2_1: IC2.1 R4.2 | length 10.2
  Top Layer w0.3: R4.2 44.927,8.805 45.644,9.522 45.644,14.318 46.396,15.07 IC2.1
NetIC2_4: IC2.4 R7.2 | length 4.5
  Top Layer w0.3: IC2.4 50.705,15.07 52.694,13.081 R7.2
NetIC2_5: IC2.5 R8.1 | length 3.3
  Top Layer w0.3: IC2.5 51.075,15.82 51.986,14.91 R8.1
NetIC2_6: IC2.6 R9.1 | length 3.1
  Top Layer w0.3: IC2.6 51.168,16.32 51.587,16.739 R9.1
NetIC2_12: IC2.12 R5.1 | length 5.8
  Top Layer w0.254: R5.1 42.98,19.558 46.343,19.558 47.552,18.349 IC2.12@47.552,18.07
NetIC2_14: IC2.14 R2.2 | length 7.4
  Top Layer w0.3: R2.2 42.749,13.027 44.074,13.027 44.316,13.269 44.316,16.254 44.882,16.82 IC2.14
NetIC2_16: IC2.16 R3.1 | length 8.1
  Top Layer w0.3: R3.1 44.474,10.895 45.096,11.518 45.096,14.904 46.013,15.82 IC2.16
NetQ1_1: Q1.1 R11.1 R12.1 | length 4.2
  Top Layer w0.3: R12.1 Q1.1 48.651,38.615 R11.1
NetQ1_3: Q1.3 U2.2 | length 2.9
  Top Layer w0.254: U2.2 41.381,39.511 44.09,39.511 Q1.3
NetS1_2: S1.2 U1.4 | length 7
  Top Layer w1.5: U1.4 29.902,45.266 29.902,47.682 31.706,49.486 S1.2
OSC_IN: C6.2 IC1.12 X1.1 | length 10.7
  Top Layer w0.3: IC1.12 79.126,12.113 C6.2 79.3,11.989 80.424,13.113 82.555,13.113 84.433,11.235 X1.1
OSC_OUT: C8.2 IC1.13 X1.2 | length 10.6
  Top Layer w0.3: IC1.13 77.559,12.613 79.2,14.254 C8.2 79.3,14.254 80.481,15.435 X1.2
PA1: C24.1 IC1.24 P6.1 R17.2 | length 66
  Top Layer w0.3: R17.2 53.791,49.74 C24.1 60.313,49.823 v1(62.191,51.701) 63.246,52.756 65.71,52.756 66.142,52.324 69.884,52.324 P6.1 ; v1(64.11,41.097) 64.11,33.223 67.081,30.251 72.611,30.251 76.352,26.51 v1(76.352,24.079) ; IC1.24 76.533,18.113 76.759,18.339 v1(76.759,19.263)
  Bottom Layer w0.3: v1(62.191,51.701) 62.191,43.142 64.11,41.224 v1(64.11,41.097) ; v1(76.352,24.079) 76.352,19.669 v1(76.759,19.263)
PA2: C25.1 IC1.25 P7.1 R18.2 | length 61.7
  Top Layer w0.3: R18.2 50.763,48.16 50.763,50.624 51.613,51.474 C25.1 51.613,51.574 51.963,51.924 52.013,51.924 52.762,52.673 56.801,52.673 57.455,52.019 60.935,52.019 62.245,53.329 P7.1 ; v1(63.017,41.123) 63.398,40.742 63.398,33.038 66.77,29.667 72.326,29.667 75.286,26.707 v1(75.286,24.105) ; IC1.25 v1(75.235,21.209)
  Bottom Layer w0.3: P7.1 61.189,52.558 61.189,42.951 v1(63.017,41.123) ; v1(75.235,21.209) 75.26,21.234 75.26,24.079 v1(75.286,24.105)
PA13: IC1.72 P1.1 | length 9
  Top Layer w0.3: P1.1 59.121,1.717 60.985,3.581 60.985,7.768 60.641,8.113 IC1.72
PA14: IC1.76 P1.3 | length 3.9
  Top Layer w0.3: IC1.76 61.497,3.607 P1.3
RESET: C23.1 IC1.14 P5.1 R16.2 | length 68
  Top Layer w0.3: v1(63.195,49.53) 69.1,49.53 R16.2 ; v1(64.973,41.123) 64.973,33.274 67.496,30.751 73.361,30.751 77.521,26.591 v1(77.521,24.13) ; R16.2 C23.1 79.485,53.554 P5.1 ; IC1.14 76.79,13.113 77.495,13.818 v1(77.495,15.799)
  Bottom Layer w0.3: v1(63.195,49.53) 63.195,43.352 64.973,41.574 v1(64.973,41.123) ; v1@77.521,15.824 77.508,15.837 77.508,24.117 v1(77.521,24.13)
RST: IC4.4 R14.2 | length 31.4
  Top Layer w0.3: R14.2@52.744,24.155 52.744,42.127 54.853,44.236 63.665,44.236 63.841,44.06 63.841,43.13 IC4.4
SPI_CS: IC1.29 IC4.15 | length 9.1
  Top Layer w0.3: IC4.15 68.191,27.675 71.997,23.869 IC1.29
SPI_MISO: IC1.31 IC4.13 | length 11.6
  Top Layer w0.3: IC4.13 64.191,27.651 65.273,26.568 v1@65.278,26.568 ; v1(67.234,26.594) 67.234,26.289 70.997,22.526 IC1.31
  Bottom Layer w0.3: v1@65.278,26.568 65.291,26.581 67.221,26.581 v1(67.234,26.594)
  other v1: 65.303,26.568
SPI_MOSI: IC1.32 IC4.14 | length 9.4
  Top Layer w0.3: IC4.14 66.191,26.392 70.497,22.086 IC1.32
SPI_SCK: IC1.30 IC4.12 | length 14.4
  Top Layer w0.3: IC4.12 62.191,27.651 64.289,25.552 v1@65.303,25.552 ; v1(69.164,25.629) 71.497,23.296 IC1.30
  Bottom Layer w0.3: v1@65.303,25.552 65.342,25.59 69.126,25.59 v1(69.164,25.629)
  other v1: 65.303,25.578
TD: IC1.52 IC2.15 | length 18.2
  Top Layer w0.3: v1(45.136,16.002) 45.217,16.002 45.535,16.32 IC2.15 ; v1(51.664,17.958) 51.818,18.113 IC1.52
  Bottom Layer w0.3: v1(45.136,16.002) 45.136,16.585 47.22,18.669 50.952,18.669 v1(51.664,17.958)
USART_RX: IC1.69 P3.2 | length 14.5
  Top Layer w0.3: P3.2 52.756,1.756 52.756,8.89 53.478,9.613 IC1.69
USART_TX: IC1.68 P3.3 | length 16.2
  Top Layer w0.3: P3.3 50.255,2.087 52.255,4.087 52.255,9.131 53.237,10.113 IC1.68
Vbat: P4.2 S2.2 | length 9.1
  Bottom Layer w1.5: S2.2 14.148,50.519 15.263,49.403 P4.2
Vout: C7.2 C11.2 IC2.10 IC2.11 IC3.3 R6.1 R10.1 Vout.0 | length 28
  Top Layer w0.6: v1(37.594,36.523) 37.594,39.817 42.977,45.2 R10.1 R6.1
  Bottom Layer w0.6: v1(37.594,36.523) 37.594,34.222 v1(46.289,25.527)
pads on no net: AT1.2 IC1.1 IC1.2 IC1.3 IC1.4 IC1.5 IC1.7 IC1.8 IC1.9 IC1.15 IC1.16 IC1.17 IC1.18 IC1.20 IC1.21 IC1.23 IC1.26 IC1.38 IC1.39 IC1.40 IC1.41 IC1.42 IC1.43 IC1.44 IC1.45 IC1.46 IC1.47 IC1.48 IC1.54 IC1.55 IC1.56 IC1.57 IC1.58 IC1.59 IC1.60 IC1.61 IC1.62 IC1.63 IC1.64 IC1.65 IC1.66 IC1.67 IC1.70 IC1.71 IC1.73 IC1.77 IC1.78 IC1.79 IC1.80 IC1.81 IC1.82 IC1.83 IC1.84 IC1.85 IC1.86 IC1.87 IC1.88 IC1.89 IC1.90 IC1.91 IC1.92 IC1.93 IC1.95 IC1.96 IC1.97 IC1.98 IC4.5 IC4.11 P5.0 P6.0 P7.0 S1.3 S1.MH1 S1.MH2 S2.1 S2.MH1 S2.MH2

## Polygon pours and split planes (outlines as drawn)
GND on Top Layer "Top Layer-GND" (solid, remove dead copper, pour order 12): 87.318,55.511 2.4,55.511 0,53.111 0,1.981 1.93,0.051 89.154,0.051 89.408,0.305 89.444,53.386
GND on Bottom Layer "Bottom Layer-GND" (solid, remove dead copper, pour order 10): 87.186,55.511 2.299,55.626 -0.159,53.169 0,2.692 2.642,0.051 89.154,0.051 89.408,0.305 89.408,53.289

## Keep-outs
Keep-Out Layer:
  lines w0.254: 3.734,55.319 85.633,55.319 cw(c85.633,51.509) 89.443,51.509 89.443,3.81 cw(c85.633,3.81) 85.633,0 3.734,0 cw(c3.734,3.81) -0.076,3.81 -0.076,51.511 cw(c3.734,51.511) 3.734,55.321
  lines w0.8: 2.667,42.342 5.613,42.342 ; 7.874,50.165 7.874,44.298 27.33,24.841 27.33,9.576 29.82,7.087 29.82,5.715 ; 21.387,4.826 21.387,13.786

## Other copper
Top Layer:
  pour cut-out: 8.929,55.568 8.929,44.489 28.169,25.249 28.169,9.881 33.909,4.14 33.909,0 2.667,0 -0.152,2.819 -0.152,53.162 2.358,55.673
  region net +5: 37.49,20.544 36.901,21.133 36.022,21.133 35.433,20.544 35.554,20.422 37.44,20.422
  region net NetC5_2: 48.895,12.951 48.59,13.256 48.006,13.256 48.006,13.145 47.803,12.942 47.841,12.903 48.898,12.903
  region net Vout: 47.904,18.818 47.904,17.672 48.717,17.672 48.717,18.853 49.061,19.197 49.061,26.187 48.908,26.34 44.438,26.34 44.184,26.086 44.171,23.241 44.577,22.835 45.72,22.835 47.201,21.353 47.201,19.521
  region net +5: 35.433,22.962 35.433,20.544 37.49,20.544 37.49,19.279 38.405,18.364 46.986,18.364 47.214,18.136 47.214,17.17 46.406,17.17 44.501,17.17 43.967,16.637 39.255,16.637 39.242,16.624 35.878,16.624 35.433,17.069
  region net NetC5_2: 48.717,15.471 48.717,12.694 48.33,12.694 47.904,12.694 47.904,15.471
Bottom Layer:
  pour cut-out: 8.929,55.568 8.929,44.489 28.169,25.249 28.169,9.881 33.909,4.14 33.909,0 2.667,0 -0.152,2.819 -0.152,53.162 2.358,55.673

## Silkscreen, mask and mechanical layers (free items; w line width, h text height)
Top Overlay:
  text "OFF </> ON" at 18.491,54.508 h1 r180
  text "ON </> OFF" at 35.992,54.356 h1 r180
  text "Graduate Project  / ver 1.6" at 9.252,1.143 h1.5
  text "TX" at 50.927,0.559 h1
  text "RX" at 53.315,0.559 h1
  text "PA13" at 58.75,0.447 h0.8
  text "PA14" at 63.779,0.467 h0.8
Drill Drawing:
  pour cut-out: 8.827,55.626 8.827,44.38 28.105,25.101 28.105,9.779 33.846,4.039 33.846,-0.051 2.604,-0.051 -0.216,2.769 -0.216,53.111 2.299,55.626
  lines w0.8: 7.874,50.165 7.874,44.298 27.33,24.841 27.33,9.576 29.82,7.087 29.82,5.715

## Text inside footprints (layer, text, board x,y; h text height)
C4: Top Overlay "+" at 36.731,21.658 h1.2 r180
U1: Top Overlay "AC" at 22.323,19.324 h1.2 r270; Top Overlay "AC" at 17.323,19.324 h1.2 r270; Top Overlay "-Vo" at 12.37,41.041 h1.2 r270; Top Overlay "+Vo" at 27.33,41.041 h1.2 r270